# Altium PCB Main.PcbDoc (part 2 of 2) (continued)
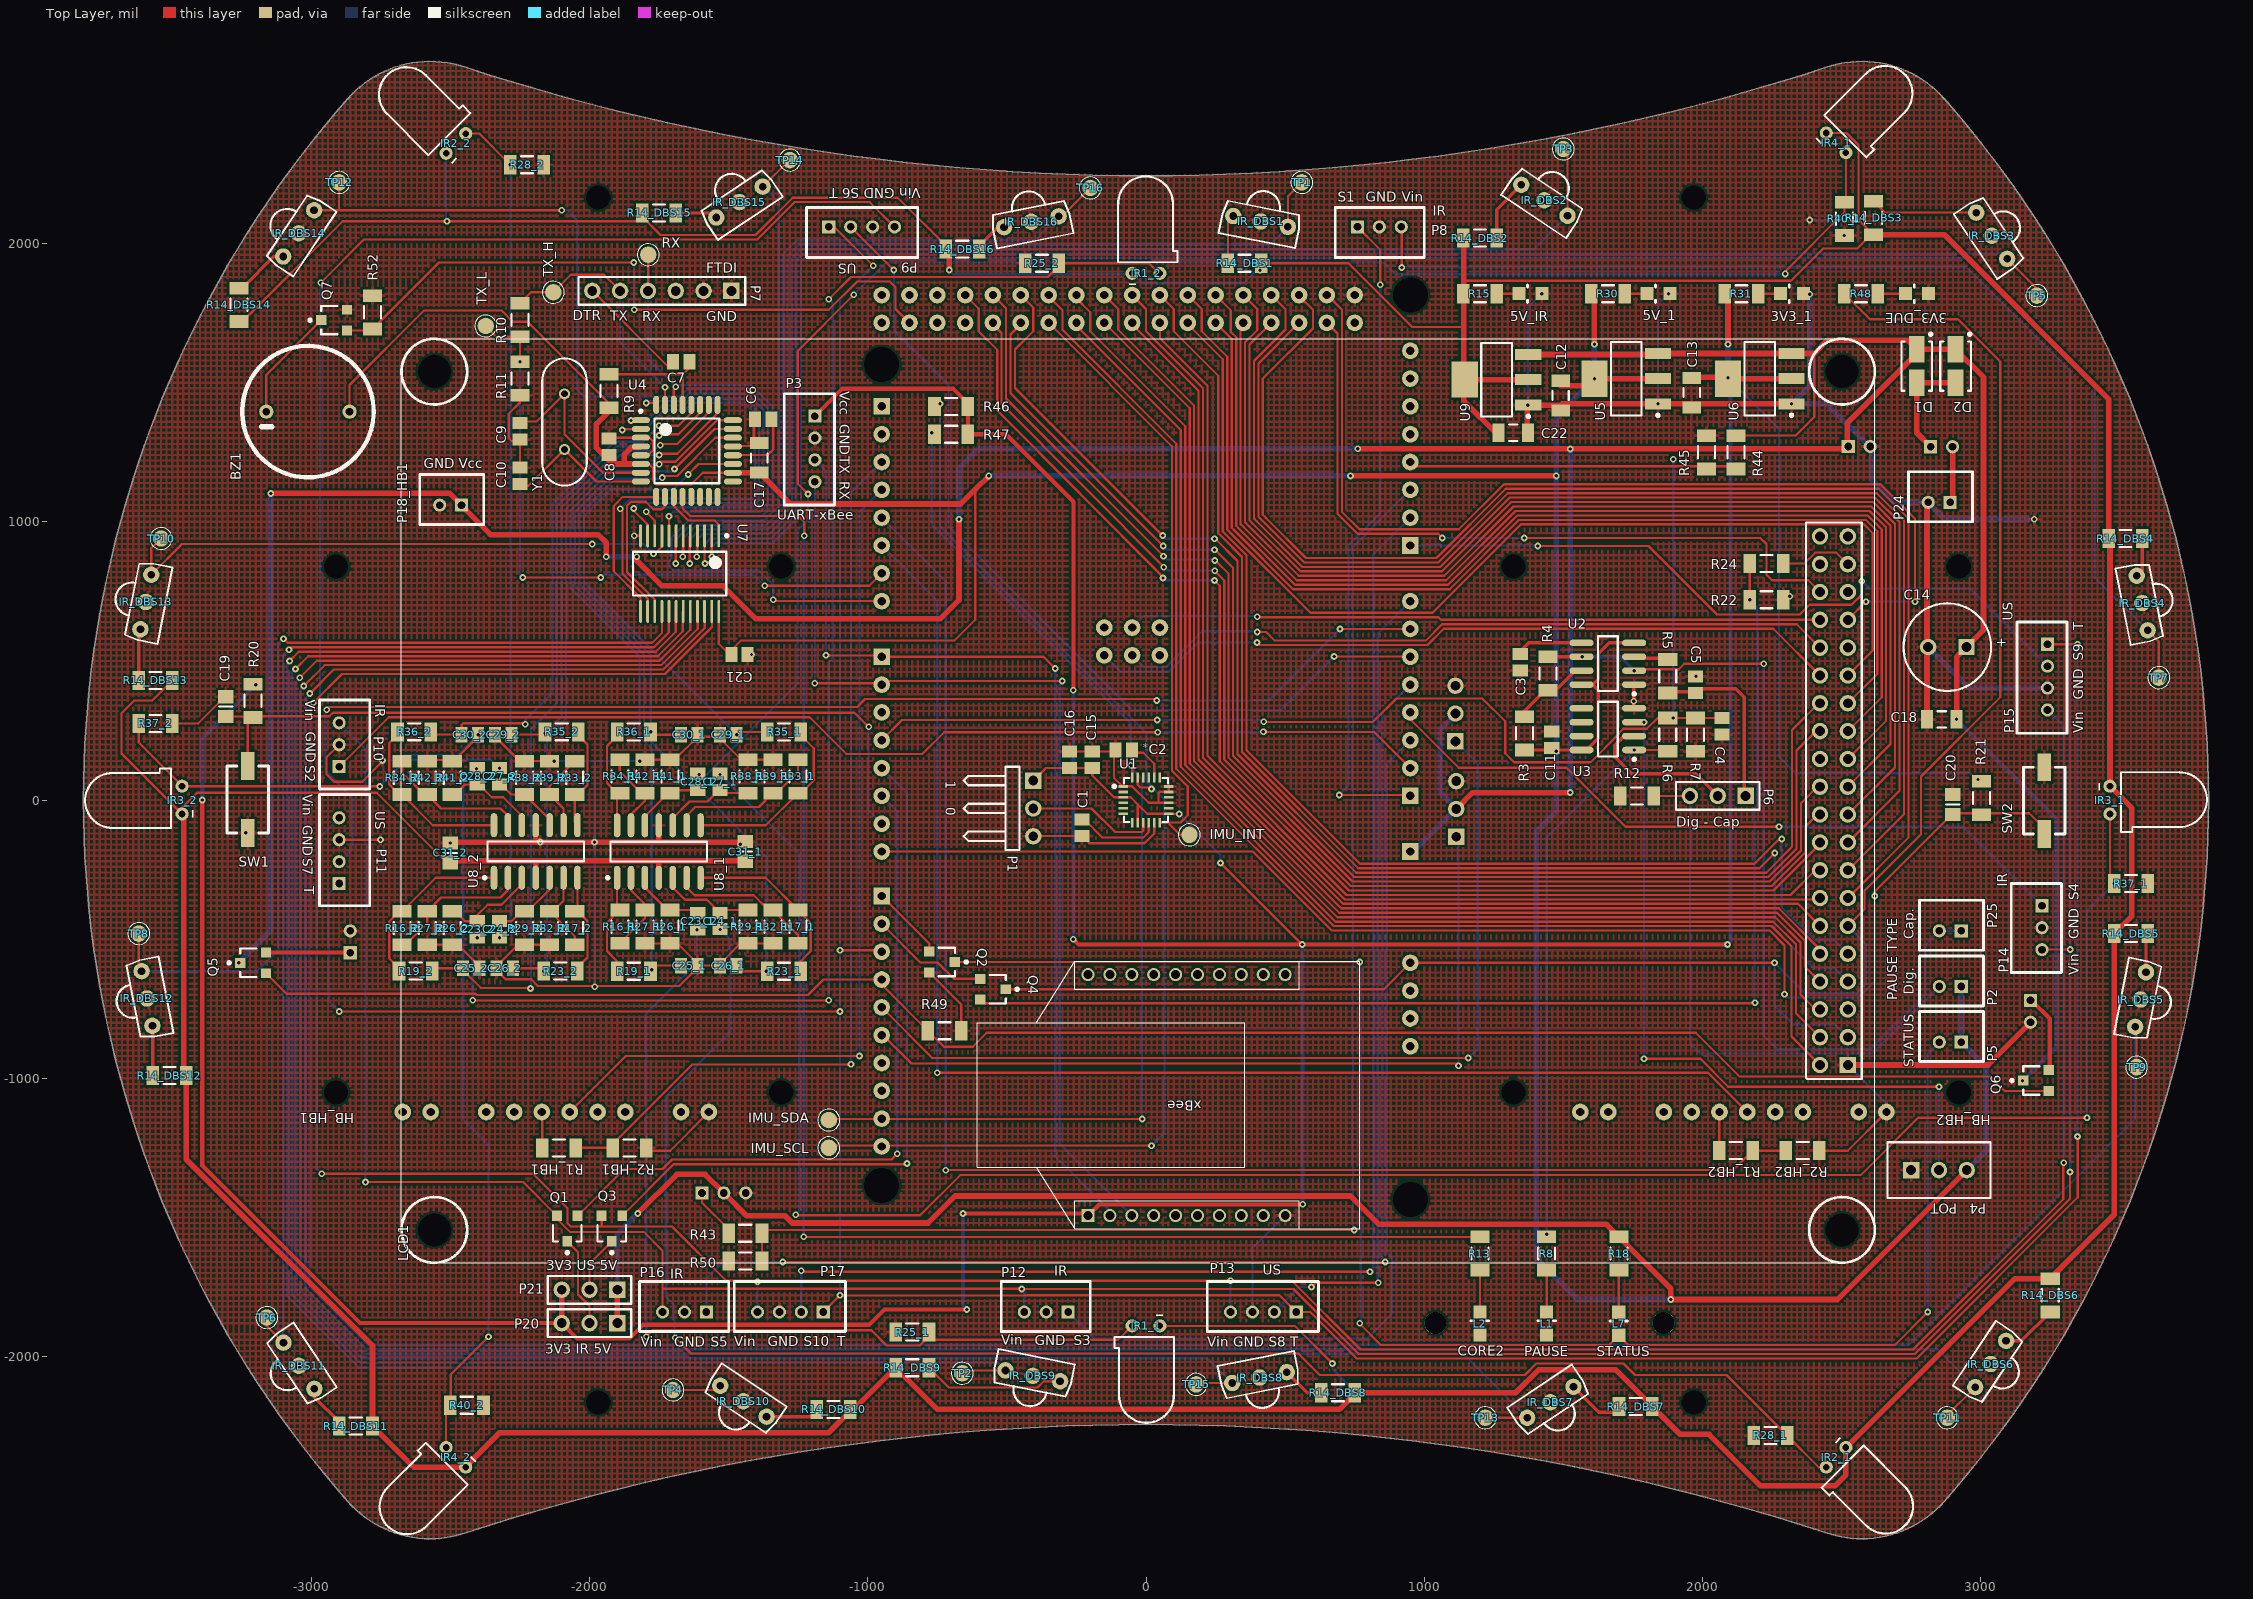
[diagram p0: Top Layer view]
## Nets (pads, with @x,y where several pads share a name; then routed paths per layer and width w, separated by ;. In a path a pad name is that pad's centre, name@x,y a point inside that pad or via, vN(x,y) a via of type N, cw(c..) or ccw(c..) an arc to the next point about the centre after c; other vN are vias at no path point) (continued)
NetC27_1_1: C27_1.1 R38_1.1 U8_1.10 | length 341.5
  Top Layer w8: U8_1.10@-1701,-90.51 -1701,-65 -1641,-5 -1576,-5 -1535.53,35.47 C27_1.1@-1531,35.47 -1520.49,24.96 R38_1.1@-1431,24.96
NetC27_1_2: C27_1.2 IR3_1.2 R37_1.2 | length 7633.7
  Top Layer w8: v1(-1531,92) C27_1.2@-1531,94.53 ; v1(-1259,-1490) -1257,-1492 -812,-1492 -668,-1348 2569,-1348 2775,-1142 v1(3382,-1142) ; IR3_1.2@3464.57,-50 3464.57,-284.61 v1(3479.96,-300)
  Bottom Layer w8: v1(-1531,92) -1246,-193 -1246,-1477 v1(-1259,-1490) ; v1(3382,-1142) 3382,-397.96 v1(3479.96,-300)
NetC27_2_1: C27_2.1 R38_2.1 U8_2.10 | length 252.3
  Top Layer w8: C27_2.1@-2323.4,55.63 -2316.63,55.63 -2280.96,19.96 R38_2.1@-2233.4,19.96 -2143.4,-70.04 U8_2.10@-2143.4,-90.31
NetC27_2_2: C27_2.2 IR3_2.2 R37_2.2 | length 1483.9
  Top Layer w8: R37_2.2@-3620.04,275.59 -3620.04,207.04 -3464.57,51.57 IR3_2.2@-3464.57,50 -2755,50 v1(-2754,49)
  Bottom Layer w8: v1(-2754,49) -2658,145 -2353.72,145 v1(-2323.4,114.69)
NetC28_1_1: C28_1.1 R41_1.1 U8_1.12 | length 261.2
  Top Layer w8: U8_1.12@-1801,-90.51 -1801,-58 -1718.04,24.96 R41_1.1@-1711,24.96 -1700.49,35.47 C28_1.1@-1611,35.47
NetC28_1_2: C28_1.2 IR4_1.2 R40_1.2 | length 5942.5
  Top Layer w8: C28_1.2@-1608.47,92 v1(-1606,92) ; v1(-1215,1100) -1252,1137 -1252,1614 v1(-1050,1816) ; v1(2297,1891) 2297,1900 2510,2113 2510,2152.04 2515.67,2157.71 IR4_1.2@2515.67,2326.85
  Bottom Layer w8: v1(-1606,92) -1579,92 -1253,418 -1253,968.5 -1215,1006.5 v1(-1215,1100) ; v1(-1050,1816) -934,1932 853,1932 895,1890 2296,1890 v1(2297,1891)
NetC28_2_1: C28_2.1 R41_2.1 U8_2.12 | length 345
  Top Layer w8: R41_2.1@-2493.4,19.96 -2483.04,19.96 -2447.37,55.63 C28_2.1@-2403.4,55.63 -2396.63,55.63 -2351,10 -2310,10 -2243.4,-56.6 U8_2.12@-2243.4,-90.31
NetC28_2_2: C28_2.2 IR4_2.2 R40_2.2 | length 2562.3
  Top Layer w8: IR4_2.2@-2515.67,-2326.85 -2515.67,-2208.67 R40_2.2@-2488,-2181 ; R40_2.2@-2501.04,-2175 -2499,-2172.96 -2499,-2064.62 v1(-2363.19,-1928.81) ; v1(-2406,113) C28_2.2@-2404.31,114.69
  Bottom Layer w8: v1(-2406,113) -2454,65 -2454,-1148 -2363.19,-1238.81 v1(-2363.19,-1928.81)
NetD1_2: D1.2 D2.2 P23.1 | length 390.7
  Top Layer w20: P23.1@2820,1270 2770,1320 D1.2@2770,1499.96 D2.2@2910,1499.96
NetHB_HB1_ERR: HB_HB1.ERR
NetHB_HB1_RST: HB_HB1.RST
NetHB_HB2_ERR: HB_HB2.ERR
NetHB_HB2_RST: HB_HB2.RST
NetIR_DBS1_3: IR_DBS1.3 R14_DBS1.1 | length 179.4
  Top Layer w8: R14_DBS1.1@294.29,1929.13 294.29,2079.47 IR_DBS1.3@313.84,2099.02
  Top Layer w12: IR_DBS1.3@312.86,2100 IR_DBS1.3@313.84,2099.02
NetIR_DBS2_3: IR_DBS2.3 R14_DBS2.1 | length 227.8
  Top Layer w12: R14_DBS2.1@1260.04,2020 1260.04,2122.45 IR_DBS2.3@1348.71,2211.11
NetIR_DBS3_3: IR_DBS3.3 R14_DBS3.1 | length 385.8
  Top Layer w8: R14_DBS3.1@2615,2152.04 2655.75,2111.29 IR_DBS3.3@2983.89,2111.29
NetIR_DBS4_3: IR_DBS4.3 R14_DBS4.1 | length 141.7
  Top Layer w12: IR_DBS4.3@3560.98,806.16 3580.04,825.21 R14_DBS4.1@3580.04,940
NetIR_DBS5_3: IR_DBS5.3 R14_DBS5.1 | length 141.3
  Top Layer w12: IR_DBS5.3@3594.02,-618.84 3594.02,-486.02 R14_DBS5.1@3600.04,-480
NetIR_DBS6_3: IR_DBS6.3 R14_DBS6.1 | length 201.8
  Top Layer w12: IR_DBS6.3@3091.11,-1943.71 3146.33,-1943.71 R14_DBS6.1@3250,-1840.04
NetIR_DBS7_3: IR_DBS7.3 R14_DBS7.1 | length 201.4
  Top Layer w12: IR_DBS7.3@1536.29,-2108.89 1627.41,-2200 R14_DBS7.1@1700,-2200
NetIR_DBS8_3: IR_DBS8.3 R14_DBS8.1 | length 154.5
  Top Layer w12: IR_DBS8.3@506.16,-2055.98 580.18,-2130 R14_DBS8.1@629.96,-2130
NetIR_DBS9_3: IR_DBS9.3 R14_DBS9.1 | length 509.7
  Top Layer w8: R14_DBS9.1@-779.96,-2040 -708.92,-2111.04 -389.72,-2111.04 -367.7,-2089.02 IR_DBS9.3@-308.84,-2089.02
NetIR_DBS10_3: IR_DBS10.3 R14_DBS10.1 | length 189.2
  Top Layer w12: IR_DBS10.3@-1363.71,-2216.11 -1201.11,-2216.11 -1200.04,-2215.04 R14_DBS10.1@-1200.04,-2190
NetIR_DBS11_3: IR_DBS11.3 R14_DBS11.1 | length 170.5
  Top Layer w12: IR_DBS11.3@-2988.89,-2116.29 -2988.89,-2146.11 -2900.04,-2234.96 R14_DBS11.1@-2900.04,-2250
NetIR_DBS12_3: IR_DBS12.3 R14_DBS12.1 | length 179.2
  Top Layer w12: IR_DBS12.3@-3570.98,-811.16 -3570.04,-812.1 R14_DBS12.1@-3570.04,-990
NetIR_DBS13_3: IR_DBS13.3 R14_DBS13.1 | length 186.3
  Top Layer w12: R14_DBS13.1@-3620.04,430 -3620.04,607.82 IR_DBS13.3@-3614.02,613.84
NetIR_DBS14_3: IR_DBS14.3 R14_DBS14.1 | length 206
  Top Layer w12: R14_DBS14.1@-3260,1840.04 -3247.96,1840.04 -3134.29,1953.71 IR_DBS14.3@-3101.11,1953.71
NetIR_DBS15_3: IR_DBS15.3 R14_DBS15.1 | length 166.2
  Top Layer w12: R14_DBS15.1@-1689.96,2110 -1532.41,2110 IR_DBS15.3@-1526.29,2103.89
NetIR_DBS16_3: IR_DBS16.3 R14_DBS16.1 | length 129.6
  Top Layer w12: R14_DBS16.1@-599.96,1980 -599.96,1992.04 -533.02,2058.98 IR_DBS16.3@-510.16,2058.98
NetL1_1: L1.1 R8.2 | length 150
  Top Layer w8: L1.1@1440,-1840 R8.2@1440,-1690.04
NetL2_1: L2.1 R13.1 | length 150
  Top Layer w8: L2.1@1200,-1840 R13.1@1200,-1690.04
NetL7_1: L7.1 R18.2 | length 151.4
  Top Layer w8: L7.1@1699,-1841 1699,-1691.04 R18.2@1700,-1690.04
NetL7_2: L7.2 P5.2 Q2.1 | length 5896.9
  Top Layer w8: Q2.1@-686.74,-582 v1(768,-582) ; v1@768,-1882 845,-1959 1663.68,-1959 L7.2@1699,-1923.68 1734.32,-1959 2691,-1959 v1(2810,-1840)
  Bottom Layer w8: v1(768,-1880) 772,-1876 772,-586 v1(768,-582) ; v1(2810,-1840) 2810,-1350.26 2808.47,-1348.73 2808.47,-912.79 P5.2@2851.26,-870
NetLCD1_19: LCD1.19 R22.1 | length 265.9
  Top Layer w8: R22.1@2290.04,850 2365.97,850 2405.25,889.28 2480.93,889.28 LCD1.19@2522.45,847.75
NetP1_2: P1.2 U1.9 | length 461
  Top Layer w8: P1.2@-405,-30 -196,-30 -111,-115 -15,-115 -10,-110 -10,-81.53 U1.9@-9.84,-81.69
NetP4_2: P4.2 U3.3 | length 2648
  Top Layer w8: v1(1790,280) v1(1790,280) ; v1(1790,-930) 1992.71,-930 2092.71,-1030 v1(2850,-1030)
  Top Layer w12: U3.3@1717.96,279.96 U3.3@1754.49,279.96
  Bottom Layer w8: v1(1790,-930) v1(1790,280) ; P4.2@2850,-1330 v1(2850,-1030)
NetP6_2: P6.2 U3.2 | length 567.2
  Top Layer w12: U3.2@1754.49,229.96 1717.96,229.96 1685,197 1685,155.04 1745,95.04 1974.96,95.04 P6.2@2065,5
NetP8_3: P8.3 P10.3 P12.3 P14.3 P16.3 Q1.2 | length 14342.6
  Top Layer w8: v1(-2805,-1373) -2238.14,-1373 Q1.2@-2117.4,-1493.74 -2117.4,-1505.23 -2070.63,-1552 -1805,-1552 -1737.48,-1619.52 -1737.48,-1757 ; P16.3@-1737.48,-1840 -1737.48,-1757 ; P8.3@917.48,2060 919,2058.48 v1(919,1914) ; P14.3@3220,-537.48 3220.48,-537 v1(3322,-537) ; v1(3321,-1337) 3321,-1433 2763,-1991 764.37,-1991 530.37,-1757 v1(-447,-1757) -448,-1756 -1736.48,-1756 -1737.48,-1757
  Bottom Layer w8: P10.3@-2900,277.48 -2805,182.48 v1(-2805,-1373) ; v1(-447,-1757) -437.48,-1766.52 P12.3@-437.48,-1840 ; v1(919,1914) 920,1915 2948,1915 3322,1541 v1(3322,-537) 3322,-1336 v1(3321,-1337)
NetP9_4: P9.4 P11.4 P13.4 P15.4 P17.4 Q3.2 | length 14349
  Top Layer w8: v1(-2966.41,1859.59) -2811,2015 -1397,2015 -1263,2149 -992.78,2149 P9.4@-903.78,2060 ; v1(-2962,-1343) -2203,-1343 -2079,-1467 -2079,-1521 -2067,-1533 -1956,-1533 ; Q3.2@-1957.4,-1493.74 -1956,-1495.14 -1956,-1533 ; v1(3298,-1304) 3297,-1305 3297,-1434.37 2756.37,-1975 771,-1975 524,-1728 v1(304,-1728) -1508.22,-1728 -1703.22,-1533 -1956,-1533
  Bottom Layer w8: -2966.41,-130.19 P11.4@-2900,-63.78 ; v1(-2966.41,1859.59) -2969,1857 -2969,-127.6 -2980,-138.6 -2980,-1325 v1(-2962,-1343) ; P17.4@-1396.22,-1840 v1(-1396.22,-1730.78) ; P13.4@303.78,-1840 v1@303.78,-1728 ; P15.4@3240,323.78 3298,265.78 v1(3298,-1304)
NetP19_1: P19.1 R43.1 | length 184.5
  Top Layer w8: P19.1@-1596,-1412 -1596,-1447 -1500.04,-1542.96 R43.1@-1500.04,-1556.75
NetP20_2: P20.2 Q1.1 | length 326.9
  Top Layer w8: Q1.1@-2080,-1586.26 -2041.53,-1624.73 -2041.53,-1777.2 -2000,-1818.73 P20.2@-2000,-1880
NetP21_2: P21.2 Q3.1 | length 206.9
  Top Layer w8: P21.2@-2000,-1760 -2000,-1666.26 Q3.1@-1920,-1586.26
NetP22_1: P22.1 Q5.2 | length 303.1
  Top Layer w15: Q5.2@-3163.14,-548 P22.1@-2860,-548
NetP23_2: P23.2 P24.1 | length 191.3
  Top Layer w20: P24.1@2898.74,1078.74 P23.2@2898.74,1270
NetP25_1: P25.1 P25.2 R4.1 U2.2 U2.6 | length 3153.9
  Top Layer w8: v1(1755,465) 1760.4,470.4 1914.42,470.4 1934.02,490 v1(2220,490)
  Top Layer w12: R4.1@1445,515.04 v1(1567.48,515) U2.6@1565.51,515
  Bottom Layer w8: v1(2220,490) 2220,-845 2270,-895 2398.34,-895 2398.63,-894.72 2446.28,-894.72 2446.56,-895 2481.05,-895 2481.33,-894.72 2603.91,-894.72 2802,-696.63 2802,-519.26 P25.2@2851.26,-470 P25.1@2930,-470
  Bottom Layer w12: v1(1567.48,515) 1705,515 v1(1755,465)
NetP26_1: P26.1 Q6.2 | length 282.7
  Top Layer w15: P26.1@3179,-720 3183,-720 3248,-785 3248,-967.86 Q6.2@3245.26,-970.6
NetR3_1: R3.1 R4.2 U2.7 | length 291.7
  Top Layer w12: R3.1@1360,300 1355,305 1355,315 1434.92,394.92 1472.92,394.92 1543,465 U2.7@1567.48,465
NetR5_2: R5.2 U2.3 | length 137.5
  Top Layer w12: U2.3@1737.52,510 R5.2@1875,510
NetR16_1_1: R16_1.1 R19_1.1 U8_1.1 | length 374
  Top Layer w8: R19_1.1@-1901.04,-615 -1901.04,-579.06 -1937.45,-542.65 -1937.45,-441.41 R16_1.1@-1891,-394.96 -1901,-384.96 U8_1.1@-1901,-279.49
NetR16_1_2: R16_1.2 R27_1.1 U8_1.2 | length 293.5
  Top Layer w8: R16_1.2@-1891,-515.04 -1801,-425.04 R27_1.1@-1801,-394.96 -1801,-374 -1851,-324 U8_1.2@-1851,-279.49
NetR16_2_1: R16_2.1 R19_2.1 U8_2.1 | length 634.2
  Top Layer w8: R19_2.1@-2684.92,-614.84 -2684.92,-604.08 -2719.85,-569.15 -2719.85,-436.85 -2682.96,-399.96 R16_2.1@-2673.4,-399.96 -2552.73,-279.29 U8_2.1@-2343.4,-279.29
NetR16_2_2: R16_2.2 R27_2.1 U8_2.2 | length 530.4
  Top Layer w8: R16_2.2@-2673.4,-520.04 -2661.04,-520.04 -2583.4,-442.4 R27_2.1@-2583.4,-399.96 -2533.44,-350 -2320,-350 -2293.4,-323.4 U8_2.2@-2293.4,-279.29
NetR17_1_1: R17_1.1 R23_1.1 U8_1.7 | length 652.2
  Top Layer w8: U8_1.7@-1601,-279.49 -1366.47,-279.49 R17_1.1@-1251,-394.96 -1204.55,-441.41 -1204.55,-542.65 -1240.96,-579.06 R23_1.1@-1240.96,-615
NetR17_1_2: R17_1.2 R32_1.1 U8_1.6 | length 535.4
  Top Layer w8: U8_1.6@-1651,-279.49 -1651,-314 -1623,-342 -1409.9,-342 -1356.94,-394.96 R32_1.1@-1341,-394.96 -1251,-484.96 R17_1.2@-1251,-515.04
NetR17_2_1: R17_2.1 R23_2.1 U8_2.7 | length 381.3
  Top Layer w8: R23_2.1@-2044.84,-614.84 -2044.84,-603.84 -2006.95,-565.95 -2006.95,-435.05 -2042.04,-399.96 R17_2.1@-2053.4,-399.96 -2043.4,-389.96 U8_2.7@-2043.4,-279.29
NetR17_2_2: R17_2.2 R32_2.1 U8_2.6 | length 305.4
  Top Layer w8: U8_2.6@-2093.4,-279.29 -2093.4,-361.4 -2131.96,-399.96 R32_2.1@-2143.4,-399.96 -2053.4,-489.96 R17_2.2@-2053.4,-520.04
NetR33_1_1: R33_1.1 R35_1.1 U8_1.8 | length 667.9
  Top Layer w8: U8_1.8@-1601,-90.51 -1366.47,-90.51 R33_1.1@-1251,24.96 -1239.04,24.96 -1194,70 -1194,186 -1240.96,232.96 R35_1.1@-1240.96,245
NetR33_1_2: R33_1.2 R39_1.1 U8_1.9 | length 543
  Top Layer w8: U8_1.9@-1651,-90.51 -1651,-56 -1620,-25 -1390.96,-25 R39_1.1@-1341,24.96 -1328.04,24.96 -1251,102 R33_1.2@-1251,145.04
NetR33_2_1: R33_2.1 R35_2.1 U8_2.8 | length 379.8
  Top Layer w8: U8_2.8@-2043.4,-90.31 -2053.4,-80.31 R33_2.1@-2053.4,19.96 -2041.04,19.96 -2006.95,54.05 -2006.95,199.95 -2039.96,232.96 R35_2.1@-2039.96,245.16
NetR33_2_2: R33_2.2 R39_2.1 U8_2.9 | length 288.3
  Top Layer w8: U8_2.9@-2093.4,-90.31 -2093.4,-30.04 R39_2.1@-2143.4,19.96 -2143.4,50.04 R33_2.2@-2053.4,140.04
NetR34_1_1: R34_1.1 R36_1.1 U8_1.14 | length 379.8
  Top Layer w8: R36_1.1@-1901.04,245 -1901.04,230.96 -1937.45,194.55 -1937.45,61.45 -1900.96,24.96 R34_1.1@-1891,24.96 -1901,14.96 U8_1.14@-1901,-90.51
NetR34_1_2: R34_1.2 R42_1.1 U8_1.13 | length 300.5
  Top Layer w8: R34_1.2@-1891,145.04 -1891,103 -1812.96,24.96 R42_1.1@-1801,24.96 -1801,-2 -1851,-52 U8_1.13@-1851,-90.51
NetR34_2_1: R34_2.1 R36_2.1 U8_2.14 | length 638.6
  Top Layer w8: R36_2.1@-2690.04,245.16 -2690.04,234.96 -2719.85,205.15 -2719.85,55.85 -2683.96,19.96 R34_2.1@-2673.4,19.96 -2563.13,-90.31 U8_2.14@-2343.4,-90.31
NetR34_2_2: R34_2.2 R42_2.1 U8_2.13 | length 519.6
  Top Layer w8: R34_2.2@-2673.4,140.04 -2673.4,98.4 -2594.96,19.96 R42_2.1@-2583.4,19.96 -2533.44,-30 -2320,-30 -2293.4,-56.6 U8_2.13@-2293.4,-90.31
PAUSE: R6.2 R8.1 U3.1 | length 2002.8
  Top Layer w8: R8.1@1440,-1569.96 v1(1440,-1560) ; v1(1754.49,179.96) 1870,179.96 R6.2@1875,174.96
  Top Layer w12: v1(1754.49,179.96) U3.1@1754.53,179.92
  Bottom Layer w8: v1(1440,-1560) 1440,-134.53 v1(1754.49,179.96)
PAUSE_CAPACITIVE: C5.2 P6.1 R5.1 | length 658.8
  Top Layer w12: R5.1@1865,389.61 1984.61,389.61 1995,400 2120,400 2150,370 2150,20 P6.1@2155,15
PAUSE_DIGITAL: P2.2 P6.3 R12.2 | length 2030.8
  Top Layer w8: R12.2@1825.04,15 P6.3@1955,15
  Bottom Layer w8: P6.3@1955,15 1955,-874 1992,-911 2404.97,-911 2405.25,-910.72 2439.65,-910.72 2439.94,-911 2487.67,-911 2487.96,-910.72 2556.95,-910.72 2557.23,-911 2610.26,-911 P2.2@2851.26,-670
RESET: C7.1 R9.2 U4.29 | length 475.1
  Top Layer w8: R9.2@-1914.96,1530 -1665,1530 ; U4.29@-1665.75,1420.35 -1665,1421.1 -1665,1530 ; -1665,1530 -1650,1545 -1650,1559.57 -1634.57,1575 -1634.57,1560.43 -1665,1530
RX_HB1: *.18 HB_HB1.RX | length 3192.5
  Top Layer w8: HB_HB1.RX@-2071.1,-1121.1 -1870,-920 v1(-1030,-920)
  Bottom Layer w8: v1(-1030,-920) -1030,1035 *.18@-950,1115
RX_HB2: *.16 HB_HB2.RX | length 4947.5
  Top Layer w8: v1(-750,-980) 2020.08,-980 HB_HB2.RX@2161.18,-1121.1
  Bottom Layer w8: *.16@-950,915 -750,715 v1(-750,-980)
S1: *.A0 P8.1 | length 2393.1
  Top Layer w8: v1(695,18) 947,18 *.A0@950,15 ; P8.1@760,2060 842,1978 v1(842,1852)
  Bottom Layer w8: v1(695,18) 728,51 728,915.63 842,1029.63 v1(842,1852)
S2: *.A1 P10.1 | length 4065
  Top Layer w8: P10.1@-2900,120 -2722,298 -1209,298 -1077,166 -803,166 -725,244 v1(42,244) ; v1(422,245) 820,245 *.A1@950,115
  Bottom Layer w8: v1(42,244) 421,244 v1(422,245)
S3: *.A2 P12.1 | length 3344.3
  Bottom Layer w8: P12.1@-280,-1840 -185,-1935 795,-1935 884,-1846 884,-1644 865,-1625 865,130 *.A2@950,215
S4: *.A3 P14.1 | length 2572.5
  Top Layer w8: *.A3@950,315 950,290 1124,116 1511,116 1723,-96 v1(2275,-96)
  Bottom Layer w8: v1(2275,-96) 2936,-96 P14.1@3220,-380
S5: *.A4 P16.1 | length 4706.2
  Top Layer w8: v1(-1305,-1660) v1(860,-1660)
  Bottom Layer w8: P16.1@-1580,-1840 -1580,-1720 -1520,-1660 v1(-1305,-1660) ; v1(860,-1660) 849,-1649 849,314 *.A4@950,415
S6: *.A5 P9.2 | length 3234.8
  Top Layer w8: P9.2@-1061.26,2060 v1(-906.26,1905) ; v1(676,516) 949,516 *.A5@950,515
  Bottom Layer w8: v1(-906.26,1905) -906,1904.74 -906,1688 -710,1492 -710,984 -50,324 484,324 v1(676,516)
S7: *.A6 P11.2 | length 4626.4
  Top Layer w8: v1(-2945,325) -2936,334 -1039,334 -1010,363 34,363 v1(39,358) ; v1(697,615) *.A6@950,615
  Bottom Layer w8: v1(-2945,325) -2949,321 -2949,104.79 -2853,8.79 -2853,-174.26 P11.2@-2900,-221.26 ; v1(39,358) 440,358 v1(697,615)
S8: *.A7 P13.2 | length 2916.5
  Top Layer w8: v1(595,-1750) 610,-1735 v1(835,-1735)
  Bottom Layer w8: P13.2@461.26,-1840 551.26,-1750 v1(595,-1750) ; v1@840,-1730 835,-1730 833,-1728 833,598 *.A7@950,715
S9: *.A8 P15.2 | length 2597.2
  Top Layer w8: v1(1408,913) 1806,913 2052,667 2350,667 2385,702 2536,702 2573,739 v1(2573,787)
  Bottom Layer w8: *.A8@950,915 1406,915 v1(1408,913) ; v1(2573,787) 2600,760 2961.26,760 P15.2@3240,481.26
S10: *.A9 P17.2 | length 4962.1
  Top Layer w8: v1@-1239,-1695 v1(805,-1695)
  Bottom Layer w8: P17.2@-1238.74,-1840 v1@-1238.74,-1692 ; v1(805,-1695) 805,-1694 817,-1682 817,882 *.A9@950,1015
  other v1: -1239,-1692
SCK: U4.17
SD_CLK: *.SCK LCD1.36 | length 2618.3
  Top Layer w8: v1(400,604) 432,604 463,573 1005,573 1063.75,631.75 2338.45,631.75 LCD1.36@2422.45,547.75
  Bottom Layer w8: *.SCK@-50,520 -8,478 73,478 202,607 400,607 v1(400,604)
SD_CS: *.52 LCD1.38 | length 2616.9
  Top Layer w8: *.52@650,1715 688,1677 688,1029.37 760.37,957 1050,957 v1(1065,942) ; v1(1359,942) 2208,942 2230,920 2230,810 2250,790 2380.21,790 LCD1.38@2422.45,747.75
  Bottom Layer w8: v1(1065,942) v1(1359,942)
SD_MISO: *.MISO LCD1.35 | length 2737.2
  Top Layer w8: v1(399,566) 408,557 1011.63,557 1070.38,615.75 2254.45,615.75 LCD1.35@2422.45,447.75
  Bottom Layer w8: *.MISO@-150,520 -92,462 84,462 188,566 v1(399,566)
SD_MOSI: *.MOSI LCD1.37 | length 2495.8
  Top Layer w8: v1(400,659) 402,657 1051,657 1060.25,647.75 LCD1.37@2422.45,647.75
  Bottom Layer w8: *.MOSI@-50,620 -8,662 397,662 v1(400,659)
SE0: U4.32 U7.10 | length 1354.1
  Top Layer w8: v1(-1796,1036) -1796,1035 -1765.57,1004.57 U7.10@-1765.57,949.83 ; v1(-1796,1427) U4.32@-1766.88,1427
  Bottom Layer w8: v1(-1796,1036) -1780,1052 -1393.25,1052 -1374.51,1070.75 -1374.51,1401.88 -1432.63,1460 -1642.37,1460 -1668.37,1434 -1789,1434 v1(-1796,1427)
SE1: U4.1 U7.11 | length 1423.6
  Top Layer w8: v1(-1841,1048) -1841,1040 -1791.16,990.16 U7.11@-1791.16,949.83
  Bottom Layer w8: v1@-1850,1048 v1(-1841,1048) -1821,1068 -1399.88,1068 -1390.51,1077.37 -1390.51,1395.25 -1439.25,1444 -1635.75,1444 -1661.75,1418 -1737.91,1418 -1790.91,1365 -1850,1365 v1(-1851,1364) v1@-1850,1363
SE2: U4.2 U7.14 | length 1824.4
  Top Layer w8: v1(-1889,1047) -1882,1047 -1881,1046 -1881,812.76 -1790,721.76 -1790,679.33 U7.14@-1791.16,678.17 ; v1(-1882,1330) -1878.26,1333.74 U4.2@-1815.35,1333.74
  Bottom Layer w8: v1@-1882,1047 v1(-1889,1047) -1852,1084 -1406.51,1084 -1406.51,1388.63 -1445.88,1428 -1629.12,1428 -1655.12,1402 -1731.28,1402 -1803.28,1330 v1(-1882,1330)
SE3: U4.9 U7.13 | length 584.9
  Top Layer w8: U7.13@-1816.75,678.17 -1816.75,725.88 -1913,822.14 -1913,1056.94 -1880.3,1089.65 U4.9@-1760.24,1089.65
T_CLK: *.27 LCD1.29 | length 4580.2
  Top Layer w8: *.27@-650,1815 -601,1766 -601,1684 -535,1618 -535,1400 v1@62.53,799.52 ; v1@244,791 265,770 265,139.24 729.24,-325 2255.51,-325 2422.45,-158.06 LCD1.29@2422.45,-152.25
  Bottom Layer w8: v1(61,798) 69,790 v1@243,790
  other v1: 246,789
T_CS: *.28 LCD1.30 | length 4499.8
  Top Layer w8: *.28@-550,1715 -550,1710 -519,1679 -519,1424 v1@69.05,832 ; v1@245,825 281,789 281,145.86 735.86,-309 2248.88,-309 2370,-187.88 2370,-95 2412.75,-52.25 LCD1.30@2422.45,-52.25
  Bottom Layer w8: v1@69.05,832 76.05,825 v1@243,825
  other v1: 247,824 64.08,837
T_DIN: *.29 LCD1.31 | length 4655.3
  Top Layer w8: *.29@-550,1815 -503,1768 -503,1443 v1@63.5,876.5 ; v1@246.47,859.47 250.53,859.47 297,813 297,152.49 742.49,-293 2242.25,-293 2354,-181.25 2354,-11 2412.75,47.75 LCD1.31@2422.45,47.75
  Bottom Layer w8: v1(63,876) 74,865 v1@240,865
  other v1: 247,861
T_IRQ: *.31 LCD1.34 | length 4899.3
  Top Layer w8: *.31@-450,1815 -405,1770 -405,1685 -471,1619 -471,1481 v1@59.5,950.5 ; v1(246,939) 249,939 329,859 329,165.75 755.75,-261 2229,-261 2322,-168 2322,252 2417.75,347.75 LCD1.34@2422.45,347.75
  Bottom Layer w8: v1@59.5,950.5 71,939 v1(246,939)
  other v1: 60,951
T_OUT: *.30 LCD1.33 | length 4715.9
  Top Layer w8: *.30@-450,1715 -451,1714 -451,1709 -487,1673 -487,1462 v1(62,913) ; v1@248,900 313,835 313,159.12 749.12,-277 2235.63,-277 2338,-174.63 2338,178 2407.75,247.75 LCD1.33@2422.45,247.75
  Bottom Layer w8: v1(62,913) 75,900 v1(246,900)
TX_HB1: HB_HB1.TX R1_HB1.2 | length 157.8
  Top Layer w8: R1_HB1.2@-2170.04,-1280 HB_HB1.TX@-2170.04,-1122.16
TX_HB2: HB_HB2.TX R1_HB2.2 | length 137.7
  Top Layer w8: R1_HB2.2@2059.96,-1260 HB_HB2.TX@2059.96,-1122.32
UART.RX: *.1 P3.4 xBee.3 | length 3657.9
  Top Layer w8: v1(-1190,420) -955,420 *.1@-950,415 -937,428 v1(-301,428)
  Bottom Layer w8: v1(-1190,420) P3.4@-1190,1143.78 ; v1(-301,428) -310,428 -310,-1234 -51.05,-1492.95 xBee.3@-51.05,-1493.39
UART.TX: *.0 P3.3 xBee.2 | length 3610.2
  Top Layer w8: v1(-1150,520) -955,520 *.0@-950,515 -368,515 v1(-326,473)
  Bottom Layer w8: P3.3@-1190,1222.52 -1150,1182.52 v1(-1150,520) ; v1(-326,473) -326,-1280 -131,-1475 -131,-1492.17 xBee.2@-129.79,-1493.39
VIN: *.VIN C14.1 C18.2 D1.1 D2.1 P18_HB1.1 P18_HB2.1 P27.2 P28.2 Q5.1 Q6.1 R44.2 U5.3 U6.3 U9.3 | length 15932
  Top Layer w8: R44.2@2121,1310.04 2335.04,1310.04 2402,1377 2402,1605
  Top Layer w15: v1(3150,-1009) Q6.1@3151,-1008
  Top Layer w20: v1(-3146,1102) -2502,1102 P18_HB1.1@-2460,1060 -2460,1058 -2356,954 -1969,954 -1940,925 v1(-1940,875) ; v1(-1830,875) -1830,860 -1740,770 -1520,770 -1401,651 -740,651 -672,719 v1(-672,1009) ; v1(761,1263) 1524,1263 v1(1525,1262) 2521,1262 2521,1356 2770,1605 D1.1@2770,1620.04 ; P28.2@1115,-32 1174,27 v1(1525,27) ; U9.3@1370.17,1601.45 U9.3@1374.17,1601.45 U5.3@1836.45,1601.45 ; U5.3@1840,1605 U6.3@2320,1605 2402,1605 2450,1653 2737.04,1653 D1.1@2770,1620.04 ; v1(2913.15,290) 2913.15,514.25 C14.1@2948.9,550 3010,611.1 3010,1520.04 D2.1@2910,1620.04 D1.1@2770,1620.04
  Bottom Layer w15: v1(2913.15,290) 3272,-68.85 3272,-887 v1(3150,-1009)
  Bottom Layer w20: v1(-3261,-585) -3146,-470 v1(-3146,1102) ; v1(-1940,875) v1(-1830,875) ; v1(-672,1009) -672,1194 -603,1263 v1(761,1263) ; *.VIN@950,-185 962,-185 P28.2@1115,-32 1119,-32 1057,30 1057,251.06 1112,306.06 P27.2@1112,311 ; v1(1525,27) v1(1525,1262)
pads on no net: *.2 *.5V *.23 *.24 *.25 *.26 *.+VCC *.AREF *.CANRX *.CANTX *.DAC0 *.DAC1 *.GND *.GND1 *.GND4 *.H *.IOREF *.RESET HB_HB1.0 HB_HB1.5V HB_HB1.GND1 HB_HB1.GND2 HB_HB1.SIN HB_HB1.VIN HB_HB2.0 HB_HB2.5V HB_HB2.GND1 HB_HB2.GND2 HB_HB2.SIN HB_HB2.VIN LCD1.0 LCD1.3 LCD1.16 LCD1.18 LCD1.20 LCD1.32 LCD1.39 LCD1.40 P7.3 U1.2 U1.4 U1.5 U1.6 U1.7 U1.14 U1.16 U1.19 U1.21 U1.22 U3.5 U3.6 U3.7 U4.13 U4.14 xBee.4 xBee.5 xBee.6 xBee.7 xBee.8 xBee.9 xBee.11 xBee.12 xBee.13 xBee.14 xBee.15 xBee.16 xBee.17 xBee.18 xBee.19 xBee.20

## Polygon pours and split planes (outlines as drawn)
GND on Top Layer "TOP-GND" (hatched 90Degree grid 20 track 8, pour order 3): -2868.7,-2520.82 cw(c0,0) -2868.7,2520.82 cw(c-2572.96,2260.95) -2450.43,2635.1 ccw(c0,10118.11) 2450.43,2635.1 cw(c2572.96,2260.95) 2868.7,2520.82 cw(c0,0) 2868.7,-2520.82 cw(c2572.96,-2260.95) 2450.43,-2635.1 ccw(c0,-10118.11) -2450.43,-2635.1 cw(c-2572.96,-2260.95)
GND on Bottom Layer "BOT-GND" (hatched 90Degree grid 20 track 8, pour order 7): -2868.7,-2520.82 cw(c0,0) -2868.7,2520.82 cw(c-2572.96,2260.95) -2450.43,2635.1 ccw(c0,10118.11) 2450.43,2635.1 cw(c2572.96,2260.95) 2868.7,2520.82 cw(c0,0) 2868.7,-2520.82 cw(c2572.96,-2260.95) 2450.43,-2635.1 ccw(c0,-10118.11) -2450.43,-2635.1 cw(c-2572.96,-2260.95)

## Silkscreen, mask and mechanical layers (free items; w line width, h text height)
Top Overlay:
  text "Vin GND S6 T" at -810,2198.11 h35 r180
  text "S1" at 690,2150 h35
  text "GND" at 790,2150 h35
  text "Vin" at 920,2150 h35
  text "IR" at 1030,2100 h35
  text "US" at -1040,1926.69 h35 r180
  text "FTDI" at -1580,1895 h35
  text "DTR" at -2061,1725 h35
  text "TX" at -1925,1723 h35
  text "RX" at -1810,1720 h35
  text "GND" at -1580,1720 h35
  text "Vcc" at -1100,1470 h35 r270
  text "GND" at -1100,1350 h35 r270
  text "TX" at -1100,1235 h35 r270
  text "GND" at -2595,1193 h35
  text "Vcc" at -2470,1193 h35
  text "RX" at -1100,1145 h35 r270
  text "UART-xBee" at -1325,1007.12 h35
  text "US" at 3115,645 h35 r90
  text "T" at 3368,610 h35 r90
  text "S9" at 3368,500 h35 r90
  text "Vin" at -3022,360 h35 r270
  text "GND" at 3368,360 h35 r90
  text "IR" at -2770,345 h35 r270
  text "GND" at -3020,245 h35 r270
  text "Vin" at 3368,240 h35 r90
  text "S2" at -3022,125 h35 r270
  text "1    0" at -720,70 h35 r270
  text "Vin" at -3030,20 h35 r270
  text "US" at -2770,-40 h35 r270
  text "GND" at -3030,-90 h35 r270
  text "Dig - Cap" at 1905,-96 h35
  text "S7" at -3030,-210 h35 r270
  text "T" at -3025,-310 h35 r270
  text "IR" at 3095,-310.71 h35 r90
  text "S4" at 3352,-360 h35 r90
  text "Cap." at 2760,-500 h35 r90
  text "GND" at 3352,-500 h35 r90
  text "Vin" at 3352,-630 h35 r90
  text "Dig." at 2760,-700 h35 r90
  text "PAUSE TYPE" at 2700,-720 h35 r90
  text "STATUS" at 2760,-960 h35 r90
  text "POT" at 2915,-1450 h35 r180
  text "3V3 US 5V" at -2155,-1690 h35
  text "US" at 420,-1706 h35
  text "IR" at -330,-1710 h35
  text "IR" at -1710,-1720 h35
  text "Vin" at -520,-1958 h35
  text "GND" at -400,-1960 h35
  text "S3" at -260,-1960 h35
  text "Vin" at -1480,-1963 h35
  text "GND" at -1360,-1963 h35
  text "S10" at -1230,-1963 h35
  text "T" at -1110,-1963 h35
  text "Vin" at -1815,-1965 h35
  text "GND" at -1695,-1965 h35
  text "S5" at -1565,-1965 h35
  text "Vin GND S8 T" at 220,-1965 h35
  text "3V3 IR 5V" at -2160,-1990 h35
  text "CORE2" at 1120,-1998 h35
  text "PAUSE" at 1360,-1999 h35
  text "STATUS" at 1620,-1999 h35
Bottom Overlay:
  text "GND" at 2575,1400 h35
  text "Vcc" at 2320,1268.02 h35
  text "ICSP_SD" at -180,930 h35 r90
  text "MOSI" at 0,690 h35
  text "Vcc" at -230,605 h35
  text "GND" at 215,600 h35
  text "MISO" at -225,510 h35
  text "RST" at 215,500 h35
  text "SCK" at -5,420 h35
  text "SERV 1" at 1285,405 h35 r90
  text "-" at 1225,400 h35 r90
  text "+" at 1230,290 h35 r90
  text "S" at 1235,195 h35 r90
  text "SERV 2" at 1305,80 h35 r90
  text "-" at 1235,60 h35 r90
  text "+" at 1210,-50 h35
  text "S" at 1240,-130 h35 r90
  text "GND" at -3000,-410 h35 r90
  text "Vcc" at -3000,-540 h35 r90
  text "GND" at -1525,-1040 h35
  text "HB_2" at 1675,-1040 h35
  text "HB_1" at -2570,-1050 h35
  text "TX" at 2080,-1050 h35
  text "RX" at 2180,-1050 h35
  text "GND" at 2705,-1050 h35
  text "TX" at -2140,-1055 h35
  text "RX" at -2035,-1055 h35
  text "GND" at -1415,-1195 h35 r90
  text "5V" at -1500,-1215 h35 r90
  text "S" at -1600,-1245 h35 r90
  text "Temp" at -1708.86,-1320 h35 r90
Mechanical 1:
  the board outline again, w5

## Text inside footprints (layer, text, board x,y; h text height)
C14: Top Overlay "+" at 3095.55,579.53 h35 r180